# Altium PCB STM32_SIM800.PcbDoc (continued)
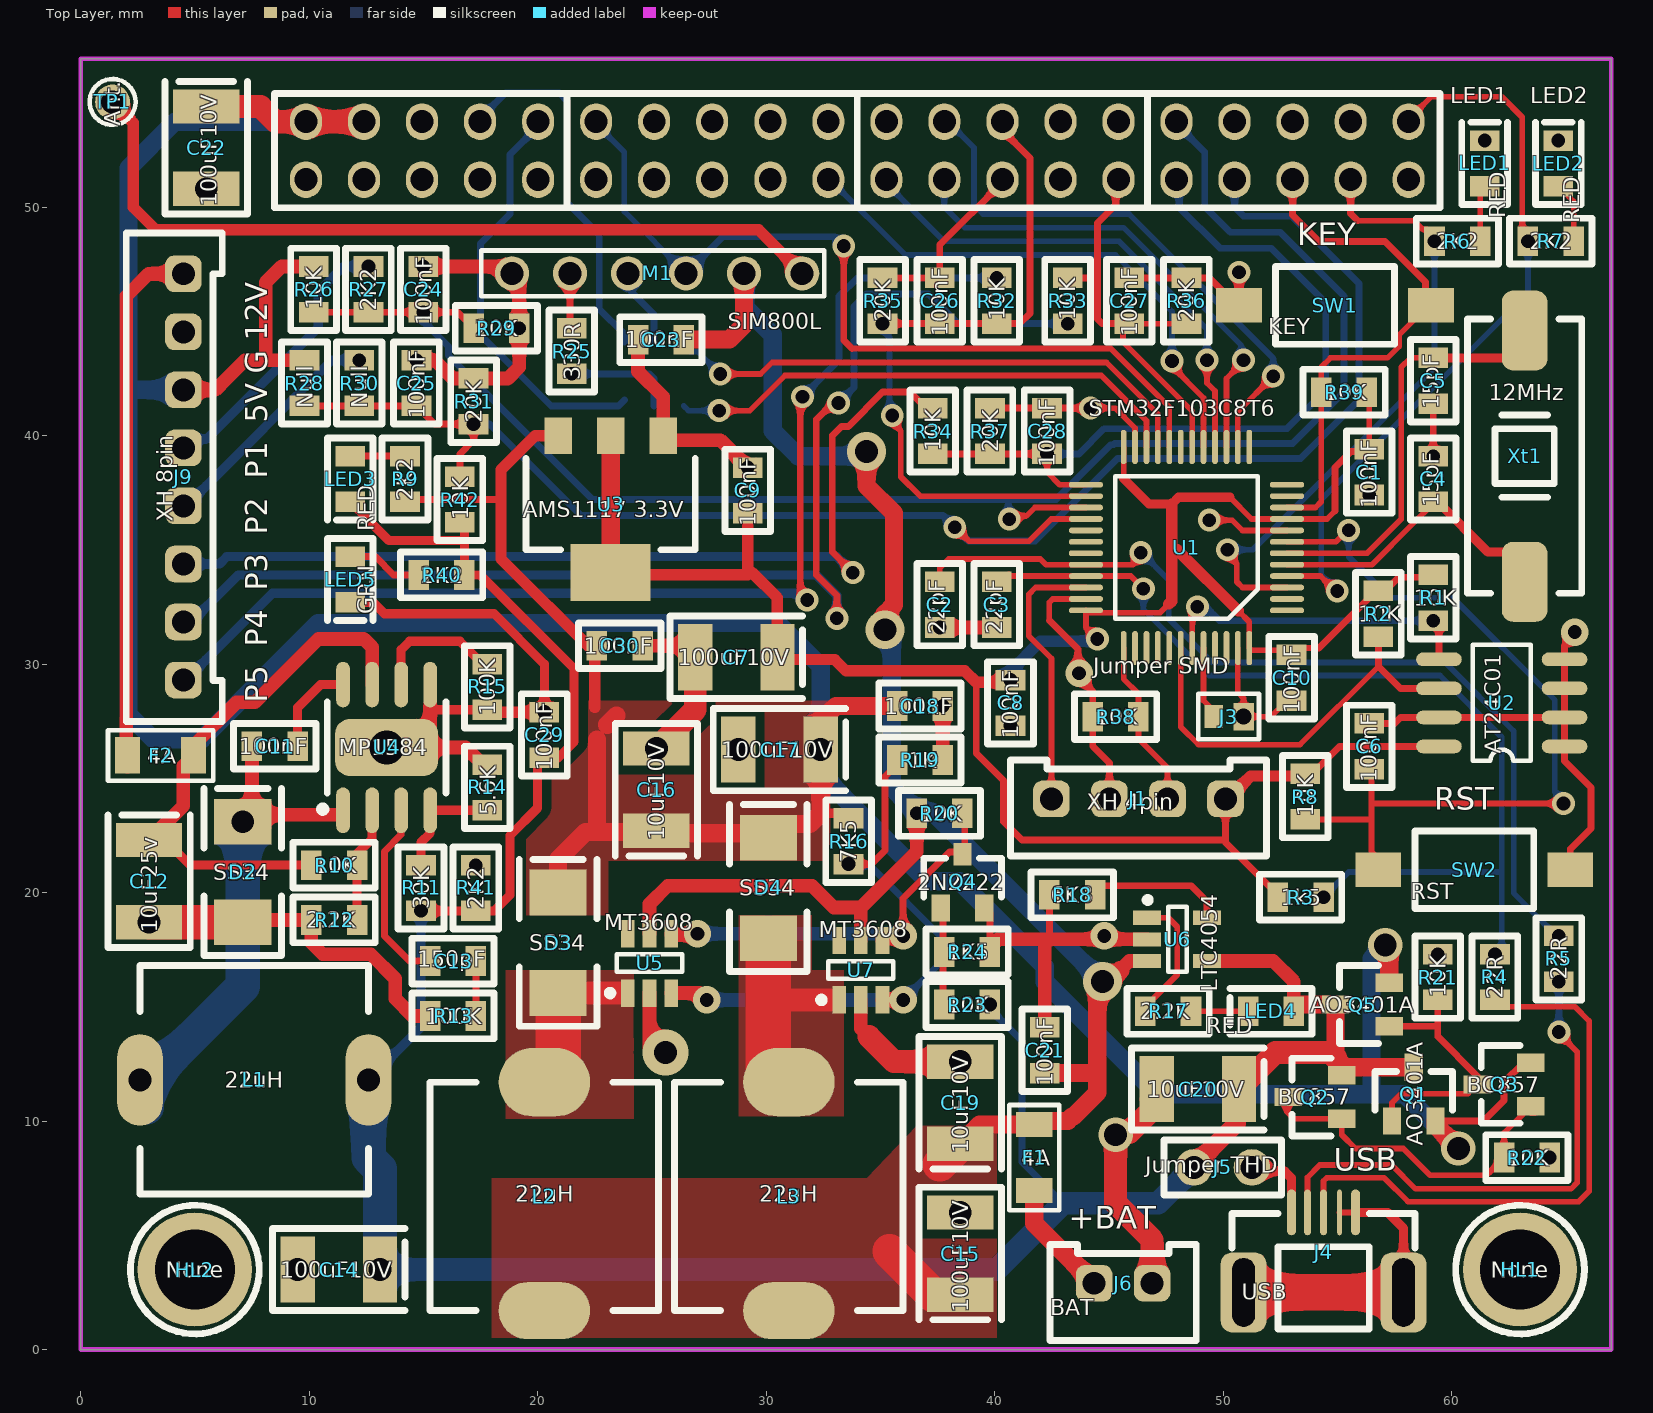
[diagram p0: Top Layer view]
## Footprints (in the part's own frame and the unit in brackets; to place one, negate y for a bottom-side part, rotate by r counter-clockwise, add the part's x,y. Pads: shape width x height; smd on the part's side, far side on the other; paste and mask are expansions set on the pad) (continued)
  rect 0.8x1.2 smd: D(0,1.175) G(-0.95,-1.175) S(0.95,-1.175)
  silkscreen extent -1.7,-0.7 1.7,1, body extent -1.5,-1.3 1.5,1.2, height 1.11
SOT23-NPN [mm] "NPN SOT23"
  rect 0.8x1.2 smd: B(-0.95,-1.175) E(0.95,-1.175)
  rect 0.8x1 smd: C(0,1.175)
  silkscreen extent -1.7,-0.7 1.7,1, body extent -1.5,-1.3 1.5,1.2, height 1.11
SOT23-PNP [mm] "PNP SOT23"
  rect 0.8x1.2 smd: B(-0.95,-1.175) C(0,1.175) E(0.95,-1.175)
  silkscreen extent -1.7,-0.7 1.7,1, body extent -1.5,-1.3 1.5,1.2, height 1.11
STM32F103C8-LQFP-48 [mm] "STM32F103C8T6 LQFP 48 pin"
  oval 0.25x1.5 smd mask+0.08: BOOT0(-0.75,4.4) PA3(-2.75,-4.4) PA4(-2.25,-4.4) PA5(-1.75,-4.4) PA6(-1.25,-4.4) PA7(-0.75,-4.4) PA14(2.75,4.4) PA15(2.25,4.4) PB0(-0.25,-4.4) PB1(0.25,-4.4) PB2(0.75,-4.4) PB3(1.75,4.4) PB4(1.25,4.4) PB5(0.75,4.4) PB6(0.25,4.4) PB7(-0.25,4.4) PB8(-1.25,4.4) PB9(-1.75,4.4) PB10(1.25,-4.4) PB11(1.75,-4.4) VDD_1(2.75,-4.4) VDD_3(-2.75,4.4) VSS_1(2.25,-4.4) VSS_3(-2.25,4.4)
  oval 1.5x0.25 smd mask+0.08: NRST(-4.4,-0.25) OSC_IN(-4.4,0.75) OSC_OUT(-4.4,0.25) PA0(-4.4,-1.75) PA1(-4.4,-2.25) PA2(-4.4,-2.75) PA8(4.4,-0.75) PA9(4.4,-0.25) PA10(4.4,0.25) PA11(4.4,0.75) PA12(4.4,1.25) PA13(4.4,1.75) PB12(4.4,-2.75) PB13(4.4,-2.25) PB14(4.4,-1.75) PB15(4.4,-1.25) PC13(-4.4,2.25) PC14(-4.4,1.75) PC15(-4.4,1.25) VBAT(-4.4,2.75) VDD_2(4.4,2.75) VDDA(-4.4,-1.25) VSS_2(4.4,2.25) VSSA(-4.4,-0.75)
  silkscreen extent -3.11,-3.11 3.11,3.11, body extent -4.5,-4.5 4.5,4.5, height 1.56
Tact_SW_SMD [mm] "Tact switch SMD 2-pin pitch 8mm"
  rect 2x1.5 smd mask+0.102: 1(-4.2,0)
  rect 2x1.5 smd: 2(4.2,0)
  silkscreen extent -2.6,-1.7 2.6,1.7, body extent -5,-1.75 5,1.75, height 4.31
TP [mil] "Test Point"
  round 60 hole 39.37: 1(0,0)
  silkscreen extent -39,-40 40,40
XH-2pin [mm] "XH Female connector 2 pin"
  rrect50% 1.6x1.6 hole 1: 1(-1.27,0) 2(1.27,0)
  silkscreen extent -3.2,-2.5 3.2,1.7, body extent -3.7,-3.4 3.7,2.7, height 7.01
XH-4pin [mm]
  rrect50% 1.6x1.6 hole 1: 1(-3.81,0) 2(-1.27,0) 3(1.27,0) 4(3.81,0)
  silkscreen extent -5.6,-2.5 5.6,1.7, body extent -6.2,-3.3 6.2,2.8, height 7.01
"XH-8pin - RA" [mm] "Connector XH-8pin-RA"
  rrect50% 1.6x1.6 hole 1: 1(8.84,0) 2(6.3,0) 3(3.76,0) 4(1.22,0) 5(-1.32,0) 6(-3.86,0) 7(-6.4,0) 8(-8.94,0)
  silkscreen extent -10.76,-1.7 10.63,2.5, body extent -11.15,-2.35 11.25,9.15, height 6.11
Xtal_SMD [mm]
  rrect50% 3.5x2 smd: 1(-5.5,0) 2(5.5,0)
  silkscreen extent -6,-2.5 6,2.5, body extent -6.25,-2.4 6.25,2.4, height 4

## Part data
C1 C2 C3 C4 C5 C6 C8 C9 C10 C11 C13 C18 C21 C23 C24 C25 C26 C27 C28 C29 C30: library part Cap0805, "Capacitor SMD 0805"
C7 C12 C14 C15 C16 C17 C19 C20 C22: library part Cap_Tant_B, "Capacitor SMD Tantalium Size B"
D2 D3 D4: library part Diode_SMA, "Diode SMD Shotkey 1N5822 SS34"
F1 F2: library part Fuse1206, "Fuse SMD 1206"
HL1 HL2: library part Holder_Hole, "PCB Holder Hole"
J1: library part Con_XH_4pin, "Connector XH Female 4-pin"
J2: "Pin Header 2x20 pitch=2.54mm"
J3: library part Jump_smd
J4: library part MicroUSB_SMD, "Micro USB Female connector SMD"
J5: library part "Jumper DIP", "Jumper pin header + jumper 2pin pirch=2.54mm"
J6: library part Con_XH_2pin, "Connector XH Female 2-pin"
J7 J8: library part Jump_smd_3tap
J9: library part Con_XH_8pin, "Connector XH Female 8-pin"
L1 L2 L3: library part Inductor_10x10, "SMD Power Inductor 10X10mm"
LED1 LED2 LED3 LED4 LED5: library part LED_0805_Red, "LED SMD 0805 Red"
M1: "SIM800L GSM Module"
Q1 Q5: library part Mosfet_P_SOT23, "MOSFET P-Channel SMD SOT23"
Q2 Q3: library part "BJT PNP SOT23", "PNP Transistor SMD SOT23"
Q4: library part BJT_NPN_SOT23, "NPN Transistor SMD SOT23"
R1 R2 R3 R4 R5 R6 R7 R8 R9 R10 R11 R12 R13 R14 R15 R16 R17 R18 R19 R20 R21 R22 R23 R24 R25 R26 R27 R28 R29 R30 R31 R32 R33 R34 R35 R36 R37 R38 R39 R40 R41 R42: library part Res0805, "Resistor SMD 0805"
SW1 SW2: library part Tact_sw, "Tact switch SMD 2pin"
TP1: library part TP, "Test point"
U1: "STM32 ARM-based 32-bit MCU with 64 Kbytes Flash, 48-pin LQFP, Industrial Temperature", ComponentLink1Description="Manufacturer Link", ComponentLink1URL=www.st.com/stm32, ComponentLink2Description=Datasheet, ComponentLink2URL=http://www.st.com/stonline/products/literature/ds/13587.pdf, DatasheetVersion="rev6, Mar-2008", PackageDescription="48-Pin Low-Profile Quad Flat Pack, 7 x 7 mm Body, 0.5 mm Pitch (LQFP48)", PackageReference=LQFP48, PackageVersion=Mar-2008, Published=30-May-2008, Publisher="Altium Limited"
U2: "AT24C01 EEPROM SMD SO8"
U3: library part AMS1117-SOT223, "AMS1117 Regulator 3.3V SMD SOT223"
U4: "BUCK SMD SO8"
U5 U7: "Boost switching"
U6: library part LTC4054-4.2, "Li-Ion Battery charger"
Xt1: library part Xtal_SMD, "Crystal Oscillator SMD"

## Via types
v1: diameter 1, hole 0.6, Top Layer to Bottom Layer, tented both sides, 27 vias
v2: diameter 1.2, hole 0.6, Top Layer to Bottom Layer, tented both sides, 7 vias
v3: diameter 1.7, hole 1, Top Layer to Bottom Layer, 3 vias
v4: diameter 1.5, hole 1, Top Layer to Bottom Layer, 3 vias
v5: diameter 2, hole 1, Top Layer to Bottom Layer, 1 vias

## Nets (pads, with @x,y where several pads share a name; then routed paths per layer and width w, separated by ;. In a path a pad name is that pad's centre, name@x,y a point inside that pad or via, vN(x,y) a via of type N, cw(c..) or ccw(c..) an arc to the next point about the centre after c; other vN are vias at no path point)
3V3: C1.1 C7.+ C8.2 C9.2 C10.2 J1.4 R1.2 R2.2 R3.2 R8.2 R39.1 U1.VDD_1 U1.VDD_2 U1.VDD_3 U1.VDDA U2.Vcc U3.Out | length 104
  Top Layer w0.25: v1(44.5,31.1) 44,31.6 44,32.25 U1.VDD_2 44.1,32.25 47.25,32.25 47.627,32.627 ; 45.65,38.115 U1.VDD_1 ; 50.3,37.3 51.25,36.35 51.761,36.35 U1.VDDA 53.632,36.35 54.55,36.35 54.9,36.7 ; 50.672,32.328 51.15,31.85 U1.VDD_3 51.25,30.6 52.8,30.6 C10.2 ; C10.2@53,30.7 54.2,30.7 ; R39.1 56.3,41.8 56.4,41.7 C1.1
  Top Layer w0.3: 39.2,29.2 39.2,26.1 40.4,24.9 40.4,23.1 41.2,22.3 50.11,22.3 ; J1.4 50.11,22.3 ; R3.2 52.4,19.9 50.11,22.19 50.11,22.3 ; R8.2 53.7,25.1 53.8,25.1 55.095,26.395 U2.Vcc ; 54.2,30.7 56.6,33.1 56.7,33.1 R2.2 56.9,33.1 57,33.1 57.7,33.8 59.1,33.8 R1.2 ; 54.9,36.7 54.9,38.6 55.6,39.3 56.3,39.3 C1.1
  Top Layer w0.4: 45.65,38.115 46.765,37 47.752,37 48.052,37.3 50.3,37.3
  Top Layer w0.5: U3.Out@23.2,34 23.3,33.9 29.2,33.9 C9.2 ; 29.2,34 29.4,34 30.5,32.9 C7.+ 30.6,30.2 33,30.2 33.5,29.7 35.236,29.7 38.7,29.7 39.2,29.2 40.6,29.2 C8.2 ; 47.627,32.627 47.752,32.752 47.752,34.998 ; 47.752,37 47.752,34.998 ; J1.4 50.21,24.1 51.21,25.1 53.5,25.1 R8.2 ; 50.672,32.328 48.002,34.998 47.752,34.998
  Bottom Layer w0.5: C8.2 40.7,29.7 42,31 44.4,31 v1(44.5,31.1)
+5VIN: C14.+ C20.+ C29.2 J5.1 L1.2 LED3.2 LED4.1 Q1.D Q2.E Q5.D R11.1 R23.2 R40.2 R41.1 R42.2 U6.VCC | length 117
  Top Layer w0.4: LED3.2 13.5,35.4 16.8,35.4 ; R11.1 R41.1 18.1,19.2 18.8,19.9 18.8,22.5 20,23.7 20,25.6 C29.2 20.9,25.9 21.6,26.6 21.6,29.8 17.5,33.9 R40.2 16.8,35.4 ; R42.2 16.8,36 16.8,35.4
  Top Layer w0.6: J5.1@48.664,8.134 J5.1@48.834,8.134 ; U6.VCC 52.2,17 53.1,16.1 LED4.1
  Top Layer w0.8: J5.1@48.834,8.134 50.6,9.9 C20.+@50.6,11.4 ; LED4.1 53.4,15.1 Q5.D 54.925,12.775 55.35,12.35 Q1.D
  Top Layer w1: C20.+ 52.3,13 54.7,13 54.925,12.775
  Bottom Layer w0.3: R23.2 39.8,14.9 41.2,13.5 41.2,8.2 43,6.4
  Bottom Layer w0.4: L1.2 14.9,14.1 R11.1
  Bottom Layer w1: C14.+ 40.1,3.5 43,6.4 47.155,6.4 J5.1
  Bottom Layer w1.5: L1.2 12.6,8.4 13.1,7.9 13.1,6.1 C14.+
+5Vout: C16.+ C17.+ C18.1 C22.+ C30.2 D3.K D4.K J2.2 J2.4 J9.3 Q1.S Q3.E Q5.S R9.2 R16.2 R26.1 R28.1 U3.In | length 192.6
  Top Layer w0.3: R9.2 14.3,37.2 18.4,37.2 ; Q1.S 61.4,10 62.3,10.9 62.3,11.7 63.15,12.55 Q3.E
  Top Layer w0.4: 32.39,23.469 33.389,23.469 R16.2
  Top Layer w0.5: U3.In 19.9,40 18.4,38.5 18.4,37.2 18.4,34.6 22.5,30.5 22.5,28.1
  Top Layer w0.6: J9.3 5.9,42 6.4,42.5 7.2,43.3 8.1,43.3 ; R28.1 8.1,43.3 ; R26.1 8.8,47.4 8.1,46.7 8.1,43.3 ; D4.K@30,22.5 D4.K@30.2,22.5
  Top Layer w0.8: D3.K 20.9,21.45 22.1,22.65 22.6,22.65 ; 22.6,26.7 22.6,22.65 ; 23.05,27.34 23.46,27.75 ; D4.K@30,22.5 29.9,22.6 25.3,22.6 C16.+ 25.15,22.65 22.6,22.65 ; D4.K 30.2,22.5 30.7,23 31.921,23 32.39,23.469 C17.+ 32.4,26.269 32.4,27.5 33.063,28.163 C18.1 ; v4(57.1,17.7) 57.275,17.525 Q5.S ; Q1.S 59.3,9.8 v4(60.3,8.8)
  Top Layer w1: C22.+ 7.869,54.4 8.529,53.74 J2.2 J2.4
  Bottom Layer w0.8: J9.3 2.2,42 2.1,41.9 ; J2.4 J2.2 4.14,53.74 2.1,51.7 2.1,41.9 ; C17.+ 32.4,26.269 32.4,29.9 30.5,31.8 10.402,31.8 7.052,28.45 7.05,28.45 5.3,26.7 3.2,26.7 2.1,27.8 2.1,41.9 ; C17.+@32.6,26.258 32.6,24.959 37.065,20.494 38.462,20.494 42.2,16.756 42.2,16.096 47.121,11.175 56.5,11.175 ; v4(57.1,17.7) 56.5,17.1 56.5,11.175 ; v4(60.3,8.8) 57.925,11.175 56.5,11.175
+12VIN: C12.+ F2.1 R10.1 U4.VIN | length 24.7
  Top Layer w0.4: C12.+ 3.7,22.3 4.8,21.2 R10.1
  Top Layer w0.6: C12.+ 4.5,23.8 4.5,25.55 F2.1 4.95,26.45 6.825,28.325 7.625,28.325 10.4,31.1 12.4,31.1 12.76,30.74 U4.VIN ; C12.+@3.7,22.3 C12.+@4.15,22.75
DM: J4.DM R5.2 | length 23.2
  Top Layer w0.25: J4.DM 53.7,7.535 54.237,8.072 57.387,8.072 58.428,7.031 65.231,7.031 65.5,7.3 65.5,13.033 64.7,13.833 v1(64.7,13.9)
  Bottom Layer w0.3: v1(64.7,13.9) R5.2
DP: J4.DP R4.2 | length 25.6
  Top Layer w0.25: J4.DP 54.4,7.375 54.546,7.521 57.048,7.521 58.098,6.472 65.572,6.472 66.025,6.925 66.025,13.675 66.025,14.375 65.4,15 62.2,15 R4.2
FB_boost: R16.1 R19.2 U5.FB U7.FB | length 25.5
  Top Layer w0.3: R16.1 34.612,21.245 35.212,21.845 35.212,25.077 35.736,25.601 R19.2
  Top Layer w0.6: U5.FB 27.1,15.6 v2(27.4,15.3) ; U7.FB v2(36,15.3)
  Bottom Layer w0.3: R16.1 33.679,21.178 34.552,21.178 37.8,17.93 37.8,17.1 v2(36,15.3)
  Bottom Layer w0.6: v2@28,15.3 v2(36,15.3)
GND: C1.2 C2.1 C3.1 C4.1 C5.1 C6.1 C7.- C8.1 C9.1 C10.1 C12.- C14.- C15.- C16.- C17.- C18.2 C19.- C20.- C21.2 C22.- C23.1 C24.1 C25.1 C26.1 C27.1 C28.2 C29.1 C30.1 D2.A J1.2 J2.6 J2.9 J2.14 J2.20 J2.25 J2.30 J2.34 J2.39 J3.2 J4.G J4.Gnd J4.ID J6.2 J9.2 LED1.2 LED2.2 LED5.2 M1.GND Q4.E R12.1 R13.2 R14.1 R15.1 R18.2 R19.1 R21.1 R22.1 R24.2 R29.2 R31.2 R35.2 R36.2 R37.2 R38.2 R41.2 SW1.1 SW2.2 U1.VSS_1 U1.VSS_2 U1.VSS_3 U1.VSSA U2.A0 U2.A1 U2.A2 U2.Gnd U2.WP U3.Gnd_Adj U4.GND U4.GND_E U5.GND U6.GND U7.GND | length 180.8
  Top Layer w0.25: 42.4,31.9 42.4,32.7 42.55,32.85 U1.VSS_2 ; v1(44.2,41.2) 45.282,41.2 46.15,40.332 U1.VSS_1 ; v1(49.4,36.3) 50.4,36.3 50.85,35.85 U1.VSSA ; U1.VSS_3 50.65,28.75 50.9,28.5 J3.2 52.1,27.7 52.8,28.4 C10.1 ; J4.ID J4.Gnd
  Top Layer w0.3: R35.2@35.2,46.9 C26.1 ; C26.1@37.9,46.9 C26.1 ; C19.- C19.-@39.2,12.6 ; Q4.E@39.75,19.125 39.8,19.075 R24.2@39.8,17.6 ; R37.2 C28.2 v1(44.2,41.2) ; J2.25 40.345,51.085 37.6,48.34 C26.1 ; 42.4,17.95 R18.2 ; 42.4,31.9 43.65,30.65 43.65,29.45 44.3,28.8 R38.2 44.3,26.4 45.03,25.67 J1.2 J1.2@45,24.07 ; C27.1 R36.2 49.4,46.9 SW1.1@50.6,45.7 ; C6.1 57.5,27.4 57.765,27.665 U2.WP U2.A1 ; C4.1 C5.1 ; LED1.2@61.476,52.887 LED1.2@61.501,52.912 ; SW2.2 65.2,21.901 66.099,22.8 66.099,24.601 64.95,25.75 U2.A0 U2.A1 ; v2(65.4,31.4) 65.4,31.259 64.95,30.809 U2.Gnd U2.A2 U2.A1
  Top Layer w0.4: LED5.2 12.8,32.7 13.3,32.2 18.1,32.2 20.3,30 C29.1 ; U4.GND@15.3,28.265 15.565,28 R15.1 ; SW1.1@50.6,45.7 50.7,45.8 v1(50.7,47.15) ; J4.Gnd 57.2,6 57.9,5.3 J4.G@57.9,2.5
  Top Layer w0.5: R15.1 17.9,27.9 C29.1
  Top Layer w0.6: D2.A@6.3,18.7 D2.A@6.55,18.7 ; D2.A@6.8,18.7 6.9,18.8 R12.1 10.1,17.8 10.6,17.3 12.7,17.3 13.777,16.223 13.777,15.351 14.528,14.6 R13.2 ; U4.GND_E U4.GND_E@14.219,26.35 ; C25.1 15.5,43.3 16.3,42.5 R31.2 18.7,42.5 19.2,43 R29.2 19.2,46.78 M1.GND 18.58,47.4 C24.1 ; U4.GND@15.3,28.265 15.3,27.431 U4.GND_E@14.219,26.35 ; R14.1 17.6,25.6 16.85,26.35 U4.GND_E@14.219,26.35 ; C23.1 24.4,42.8 25.5,41.7 U3.Gnd_Adj 25.7,39.8 28,39.8 C9.1 ; C30.1 26.4,30.8 C7.- ; U5.GND 24.9,13.7 v5(25.6,13) ; U7.GND 34.15,14.05 34.5,13.7 ; R19.1 C18.2 ; C2.1@37.788,31.6 C3.1@40.288,31.6 ; Q4.E@39.55,19.125 Q4.E ; R24.2 39.8,17.6 40.15,17.95 42.4,17.95 ; C21.2 42.2,17.75 42.4,17.95 ; v2@44.3,17.95 U6.GND ; v2@44.687,18.054 44.582,17.95 42.4,17.95 ; C20.-@46.65,10.95 C20.-
  Top Layer w1: C16.-@25.221,26.279 C16.- 26.9,28 C7.- ; C17.-@28.769,26.279 C17.- ; 34.5,13.7 35.6,12.6 C19.- ; J6.2 46.9,4.8 45.3,6.4 v4(45.3,9.4) 45.396,9.496 45.896,9.496 47.1,10.7 C20.-
  Top Layer w1.5: C12.- D2.A@6.8,18.7
  Bottom Layer w0.3: J1.2@45,24.13 J1.2
  other v2: 44.8,18.1 43.7,29.6
GPIO2: J2.3
GPIO3: J2.5
GPIO4: J2.7
GPIO16: J2.36
GPIO17: J2.11
GPIO20: J2.38
GPIO22: J2.15
GPIO23: J2.16
GPIO24: J2.18
GPIO25: J2.22
GPIO27: J2.13
ID_SC: J2.28
ID_SD: J2.27
IO1: C24.2 J2.32 R26.2 R27.1 R29.1 U1.PB14 | length 73.8
  Top Layer w0.25: v1(40.648,36.342) 40.792,36.486 41.401,36.486 41.765,36.85 U1.PB14
  Top Layer w0.3: R26.2@10.4,45.4 R27.1 C24.2 16.5,45.4 R29.1
  Bottom Layer w0.25: 40.6,37.2 40.6,36.39 v1(40.648,36.342)
  Bottom Layer w0.3: C24.2 15,45 16.1,43.9 16.1,43.5 22.4,37.2 40.6,37.2 42.7,37.2 45.1,39.6 45.211,39.6 45.261,39.65 53.05,39.65 55.3,41.9 55.3,46.1 52.5,48.9 50.315,48.9 49.2,50.015 49.2,52.405 47.965,53.64 J2.32
IO2: C25.2 J2.33 R28.2 R30.1 R31.1 R42.1 U1.PB15 | length 73.2
  Top Layer w0.25: v1(38.26,35.987) 38.279,35.987 38.888,35.377 41.512,35.377 42.485,36.35 U1.PB15
  Top Layer w0.3: R28.2 R30.1 C25.2 15.5,40.5 R31.1 17.2,39.8 16.6,39.2 R42.1
  Bottom Layer w0.3: R31.1 17.9,40.5 21.905,36.495 37.752,36.495 v1(38.26,35.987) 38.855,35.392 41.781,35.392 45.389,39 53.4,39 55.95,41.55 55.95,46.65 53,49.6 50.9,49.6 50.505,49.995 J2.33
IO3: C28.1 J2.31 R34.1 R37.1 U1.PB12 | length 34.3
  Top Layer w0.25: C28.1 42.3,38.4 42.85,37.85 U1.PB12
  Top Layer w0.3: R34.1 R37.1 C28.1
  Bottom Layer w0.3: C28.1 43.7,39.2 44.8,40.3 52.8,40.3 54.5,42 54.5,45.8 52.1,48.2 49.872,48.2 48.083,49.989 48.083,51.082 J2.31
IO4: C27.2 J2.29 R33.1 R36.1 U1.PB0 | length 18.6
  Top Layer w0.25: C27.2@45.625,44.575 45.625,44.1 48.65,41.075 U1.PB0 ; C27.2 C27.2@46.1,44.9 ; C27.2@46.425,44.575 C27.2@46.1,44.9 ; R36.1 C27.2@46.1,44.9
  Top Layer w0.3: R33.1 44.5,46.9 ; J2.29 45.3,51.075 45.3,50.1 44.5,49.3 44.5,46.9 ; C27.2 44.7,44.9 44.5,45.1 44.5,46.9
IO5: C26.2 J2.26 R32.1 R35.1 U1.PB13 | length 31.2
  Top Layer w0.25: v1(35.522,40.878) 35.4,40.756 35.4,40.7 35.9,40.2 35.9,38.2 36.75,37.35 U1.PB13
  Top Layer w0.3: R35.1@35.2,44.9 37.7,44.9 R32.1 41.1,44.9 41.55,45.35 41.55,52.15 40.345,53.355 J2.26
  Bottom Layer w0.25: R35.1 34.95,44.75 35.4,44.299 35.4,40.878 v1(35.522,40.878)
LED1: J2.37 R6.1 U1.PC14 | length 27.5
  Top Layer w0.25: v1(50.2,35) 50.2,34.8 50.6,34.4 50.6,33.6 50.85,33.35 U1.PC14 ; 55.9,49.4 58.366,49.4 58.732,49.034 58.932,49.034 59.257,48.709 R6.1
  Top Layer w0.3: J2.37 55.585,49.715 55.9,49.4
  Bottom Layer w0.25: v1(50.2,35) 51.3,35 59.257,42.957 R6.1
LED2: J2.40 R7.1 U1.PC15 | length 33.3
  Top Layer w0.25: U1.PC15 54.263,33.85 54.913,33.2 v1(55,33.2) ; J2.40@58.185,53.8 J2.40 58.125,53.84 59.118,54.833 62.2,54.833 63.1,53.933 63.1,48.755 R7.1
  Bottom Layer w0.25: v1(55,33.2) 54.3,33.9 54.3,37.2 63.346,46.246 R7.1
NetC2_2: C2.2 R5.1 U1.PA11 | length 40.4
  Top Layer w0.25: C2.2 37.6,34.2 38,34.6 42,34.6 42.25,34.35 U1.PA11 46.05,34.35 46.4,34.7 v1(46.4,34.877)
  Bottom Layer w0.25: v1(46.4,34.877) 46.434,34.877 47.627,33.684 47.627,31.979 49.538,30.068 59.723,30.068 62.721,27.071 62.721,19.979 R5.1@64.7,18
NetC3_2: C3.2 R3.1 R4.1 U1.PA12 | length 44.1
  Top Layer w0.25: C3.2@40.625,33.925 C3.2@40.55,33.85 ; v1(46.515,33.294) 45.96,33.85 U1.PA12 C3.2@40.55,33.85 ; C3.2@40.55,33.85 40.3,33.6 C3.2 40.35,33.85 C3.2@40.55,33.85
  Bottom Layer w0.25: v1(46.515,33.294) 46.515,32.384 49.399,29.5 59.5,29.5 62.2,26.8 62.2,20.9 ; R3.1 55.5,20.9 62.2,20.9 ; R4.1@61.9,17.4 62.2,17.7 62.2,20.9
NetC4_2: C4.2 U1.OSC_IN Xt1.1 | length 13.3
  Top Layer w0.25: U1.OSC_IN 54.631,34.35 56.515,34.35 58.3,36.135 59.2,37.035 C4.2
  Top Layer w0.4: C4.2 59.4,37.1 61.6,34.9 62.423,34.9 63.2,34.123 Xt1.1
NetC5_2: C5.2 U1.OSC_OUT Xt1.2 | length 18.6
  Top Layer w0.25: U1.OSC_OUT 54.838,34.85 56.308,34.85 57.8,36.342 57.8,43 58.2,43.4 C5.2
  Top Layer w0.3: Xt1.2@62.377,43.4 63.2,44.223 Xt1.2
  Top Layer w0.4: C5.2 Xt1.2@62.377,43.4
NetC11_1: C11.1 U4.BST | length 4.1
  Top Layer w0.4: C11.1 9.5,28.1 10.5,29.1 U4.BST
NetC11_2: C11.2 D2.K L1.1 U4.SW | length 22.1
  Top Layer w0.6: D2.K 7.4,23.4 D2.K@7.9,23.4 ; C11.2 7.5,23.8 D2.K@7.9,23.4 ; U4.SW 11.49,23.4 D2.K@7.9,23.4
  Bottom Layer w1.5: L1.1@2.9,10.6 2.9,11.7 7.1,15.9 D2.K
NetC13_1: C13.1 R13.1 | length 2.5
  Top Layer w0.3: R13.1@17.3,15 C13.1@17.3,17.5
NetC13_2: C13.2 U4.COMP | length 8.3
  Top Layer w0.3: U4.COMP 14.03,22.53 13.3,21.8 13.3,18.1 14.4,17 C13.2
NetD3_A: D3.A L2.2 U5.SW | length 7.4
  Top Layer w0.6: U5.SW@23.7,15.6 U5.SW@23.8,15.6
  Top Layer w1: D3.A@20.925,15.6 U5.SW@23.7,15.6
  Top Layer w2: L2.2 20.9,11.7 D3.A
NetD4_A: D4.A L3.2 U7.SW | length 9.1
  Top Layer w1: 31,15.3 U7.SW@32.9,15.3
  Top Layer w2: D4.A 30.1,11.7 L3.2
NetF1_1: F1.1 J6.1 | length 5.1
  Top Layer w0.8: F1.1 41.74,5.52 J6.1
NetF2_2: F2.2 J9.1 | length 23.5
  Top Layer w0.6: F2.2@2.05,25.5 2,25.55 2,46.1 2.98,47.08 J9.1
NetJ1_3: J1.3 R38.1 U1.PA14 | length 7.4
  Top Layer w0.25: U1.PA14 45.65,29.35 46.3,28.7 R38.1 46.3,26.735 47.57,25.465 J1.3
NetJ3_1: J3.1 U1.BOOT0 | length 3.2
  Top Layer w0.25: U1.BOOT0 49.15,28.4 49.6,27.95 J3.1
NetJ4_1: J4.VUSB J5.2 | length 3.3
  Top Layer w0.4: J5.2@51.367,7.97 51.537,7.8 52.7,7.8 53,7.5 J4.VUSB
NetJ7_2: J7.2 M1.RXD | length 3.5
  Bottom Layer w0.3: M1.RXD 24.1,46.96 24.1,46.3 25.1,45.3 J7.2
NetJ7_3: J7.3 U1.PB10 | length 24
  Top Layer w0.25: v1(27.999,42.692) 29.76,42.692 30.268,43.2 44.9,43.2 47.15,40.95 U1.PB10
  Bottom Layer w0.25: J7.3 26.4,43.937 26.675,43.662 27.029,43.662 v1(27.999,42.692)
NetJ8_2: J8.2 R25.1 | length 4.9
  Bottom Layer w0.3: R25.1 24.9,42.7 25.1,42.5 J8.2
NetJ8_3: J8.3 U1.PB11 | length 22.9
  Top Layer w0.25: v1(27.948,41.092) 29.292,41.092 30.825,42.625 31.217,42.625 32.475,42.625 32.817,42.625 33.583,42.625 44.675,42.625 46.65,40.65 U1.PB11
  Bottom Layer w0.25: J8.3 26.608,41.092 v1(27.948,41.092)
NetJ9_4: J9.4 R27.2 | length 12.3
  Bottom Layer w0.4: J9.4 4.891,39.851 5.523,39.851 10.4,44.728 10.4,46.3 11.5,47.4 R27.2
NetJ9_5: J9.5 R30.2 | length 10.3
  Bottom Layer w0.4: J9.5 4.977,37.397 5.097,37.397 11,43.3 R30.2
NetJ9_6: J9.6 R34.2 | length 41.6
  Top Layer w0.3: v1(33.8,34) 32.9,34.9 32.9,40 33.3,40.4 33.6,40.4 35.1,41.9 36.3,41.9 37,41.2 R34.2
  Bottom Layer w0.4: J9.6 6.08,34.38 6.4,34.7 33.1,34.7 v1(33.8,34)
NetJ9_7: J9.7 R33.2 | length 55.9
  Top Layer w0.3: v1(33.1,32) 33.1,32.9 33.1,33 32.2,33.9 32.2,40.7 33.05,41.55 v1(33.172,41.428)
  Bottom Layer w0.3: v1(33.172,41.428) 33.85,42.106 33.85,45.65 34.4,46.2 37.1,46.2 37.199,46.101 38.4,44.9 R33.2
  Bottom Layer w0.4: J9.7 4.84,31.84 6.9,33.9 32.2,33.9 33.1,33 v1(33.1,32)
NetJ9_8: J9.8 R32.2 | length 50.4
  Top Layer w0.3: v1(31.6,41.7) 31.5,41.6 31.5,33.1 v1(31.8,32.8)
  Bottom Layer w0.3: v1(31.6,41.7) 33.2,43.3 33.2,46.1 34,46.9 R32.2
  Bottom Layer w0.4: J9.8 4.6,29.3 8.4,33.1 31.5,33.1 v1(31.8,32.8)
NetLED1_1: LED1.1 R6.2 | length 2.5
  Top Layer w0.25: R6.2 61.257,50.668 LED1.1@61.476,50.887
NetLED2_1: LED2.1 R7.2 | length 2.9
  Top Layer w0.25: LED2.1@64.476,50.912 LED2.1 65.346,50.243 R7.2
NetLED3_1: LED3.1 R9.1 | length 2.5
  Top Layer w0.3: LED3.1@11.5,38.9 LED3.1@11.6,39 ; LED3.1 R9.1
NetLED4_2: LED4.2 R17.1 | length 2.5
  Top Layer w0.25: R17.1 LED4.2
NetLED5_1: LED5.1 R40.1 | length 3.3
  Top Layer w0.3: LED5.1 12.9,34.7 13.7,33.9 R40.1
NetM1_ANT: M1.ANT TP1.1 | length 35.5
  Top Layer w0.5: TP1.1 2.3,53.7 2.3,50 3.3,49 29.68,49 M1.ANT
NetM1_TXD: M1.TXD R25.2 | length 2.4
  Top Layer w0.3: M1.TXD 21.42,44.78 R25.2
NetQ1_G: Q1.G Q3.C Q5.G R21.2 | length 11.4
  Top Layer w0.25: Q1.G 57.4,10.8 57.8,11.2 60.725,11.2 Q3.C
  Top Layer w0.3: Q5.G 59.35,14.15 59.4,14.2 ; R21.2 59.4,14.2 ; Q3.C 61.125,11.975 59.4,13.7 59.4,14.2
NetQ2_B: Q2.B Q2.C Q3.B R22.2 | length 15
  Top Layer w0.25: Q2.C 52.8,11 52.8,10.4 53.1,10.1 Q2.B 55.2,9.4 55.8,8.8 57.887,8.8 59.062,7.625 61.525,7.625 R22.2 62.3,9.475 Q3.B ; Q3.B@63.475,10.35 Q3.B@63.675,10.35
NetQ4_B: Q4.B R23.1 R24.1 | length 4.3
  Top Layer w0.3: Q4.B@37.75,19.425 37.75,17.4 37.75,15.15 R23.1
NetQ4_C: Q4.C R20.2 U5.EN U7.EN | length 18.6
  Top Layer w0.3: v2(36,18.1) 36,19.75 38.025,21.775 38.7,21.775 38.7,23.7 R20.2@38.6,23.8
  Top Layer w0.6: U5.EN 25.85,18.15 26.95,18.15 v2(27,18.2) ; U7.EN 35.1,18 35.9,18 v2(36,18.1)
  Bottom Layer w0.6: v2(27,18.2) 35.9,18.2 v2(36,18.1)
NetR1_1: R1.1 U1.PB7 U2.SDA | length 14.3
  Top Layer w0.25: U1.PB7 48.65,32.279 v1(48.878,32.507)
  Top Layer w0.3: R1.1 59.45,31.65 U2.SDA
  Bottom Layer w0.3: v1(48.878,32.507) 49.233,32.507 49.843,31.897 59.197,31.897 R1.1
NetR2_1: R2.1 U1.PB6 U2.SCL | length 18.2
  Top Layer w0.25: U1.PB6 48.15,27.25 48.927,26.473 53.373,26.473 56.8,29.9
  Top Layer w0.3: R2.1 56.8,29.9 57.765,28.935 U2.SCL
NetR10_2: R10.2 R12.2 U4.EN | length 5.1
  Top Layer w0.4: R12.2 R10.2 12.1,21.7 12.76,22.36 U4.EN U4.EN@12.8,23.56
NetR11_2: R11.2 R14.2 U4.FB | length 5.1
  Top Layer w0.4: R11.2 14.9,22.2 15.3,22.6 U4.FB R14.2
NetR15_2: R15.2 U4.FREQ | length 5.9
  Top Layer w0.4: U4.FREQ 14.03,30.63 14.4,31 16.6,31 17.6,30 R15.2
NetR17_2: R17.2 U6.CHRG | length 5.8
  Top Layer w0.25: R17.2 46.6,15 48,16.4 48,18.5 47.6,18.9 U6.CHRG
NetR18_1: R18.1 U6.PROG | length 6.4
  Top Layer w0.3: R18.1 44.4,20 44.7,20.3 48.6,20.3 49.3,19.6 U6.PROG U6.PROG@49.6,18.9
RPi3V3: J2.1
RPi_RX: J2.10 J8.1 | length 18.1
  Bottom Layer w0.3: J2.10 20.025,53.525 18.8,52.3 18.8,49.7 17.5,48.4 17.5,44.4 20.6,41.3 23.55,41.3 J8.1@23.8,41.55
RPi_TX: J2.8 J7.1 | length 16.1
  Bottom Layer w0.3: J2.8 17.485,53.885 18.59,54.99 20.962,54.99 21.3,54.652 21.3,50.2 22.7,48.8 22.7,45.55 23.8,44.45 J7.1
RST: C6.2 R8.1 SW2.1 U1.NRST | length 35.9
  Top Layer w0.25: U1.NRST 54.95,35.35 55.45,35.85 v1(55.5,35.85) ; R8.1 56.5,23.2 ; C6.2 56.5,25.3 56.5,23.9 ; SW2.1@56.9,21.4 56.5,21.8 56.5,23.9 ; v1(64.905,23.896) 56.504,23.896 56.5,23.9
  Bottom Layer w0.25: v1(55.5,35.85) 55.5,34.698 57.298,32.9 60.054,32.9 64.524,28.43 64.524,24.418 64.905,24.037 v1(64.905,23.896)
Sim_Rst: J2.12 M1.RST U1.PB2 | length 37.3
  Top Layer w0.25: 33.765,43.81 45.09,43.81 47.65,41.25 U1.PB2
  Top Layer w0.3: v1(33.4,48.3) 33.4,44.175 33.765,43.81
  Bottom Layer w0.25: J2.12 22.565,53.635 23.8,52.4 23.8,49.8 M1.RST
  Bottom Layer w0.3: M1.RST 28.1,48.7 33,48.7 v1(33.4,48.3)
SPI_CE0: J2.24 U1.PA4 | length 24.7
  Top Layer w0.25: U1.PA4 50.65,41.05 v1(52.2,42.6)
  Bottom Layer w0.25: J2.24@37.96,53.74 39.1,52.6 39.1,50.1 39.5,49.7 45.887,49.7 52.2,43.387 v1(52.2,42.6)
  Bottom Layer w0.3: J2.24 J2.24@37.96,53.74
SPI_MISO: J2.21 U1.PA6 | length 22.1
  Top Layer w0.25: v1(49.3,43.3) 49.3,42.3 49.65,41.95 U1.PA6
  Bottom Layer w0.25: J2.21 35.265,51.035 37.8,48.5 45.457,48.5 49.3,44.657 v1(49.3,43.3)
SPI_MOSI: J2.19 U1.PA7 | length 23.9
  Top Layer w0.25: v1(47.767,43.267) 47.767,43.059 47.754,43.046 49.15,41.65 U1.PA7
  Bottom Layer w0.25: J2.19 32.8,51.2 36.1,47.9 45.295,47.9 47.767,45.429 v1(47.767,43.267)
SPI_SCK: J2.23 U1.PA5 | length 21.5
  Top Layer w0.25: U1.PA5 50.15,42.494 50.9,43.244 v1(50.9,43.3)
  Bottom Layer w0.25: J2.23 37.8,51.195 37.8,50 38.7,49.1 45.645,49.1 50.804,43.941 50.804,43.396 v1(50.9,43.3)
SWDIO: J1.1 U1.PA13 | length 12
  Top Layer w0.25: J1.1 42.49,30.24 41.5,31.23 41.5,33.051 41.799,33.35 U1.PA13
uSW: J2.35 R39.2 SW1.2 U1.PA0 | length 23.3
  Top Layer w0.25: U1.PA0 54.05,36.85 54.3,37.1 R39.2 54.3,43 54.7,43.4 57.2,43.4 57.7,43.9 57.7,44.4 SW1.2@59,45.7
  Top Layer w0.3: J2.35 53.045,49.655 54.2,48.5 57.091,48.5 58.866,46.724 58.866,45.834 SW1.2@59,45.7
Vbat: C15.+ C19.+ C21.1 C23.2 F1.2 L2.1 L3.1 M1.VCC R20.1 U5.IN U6.BAT U7.IN | length 85.4
  Top Layer w0.6: U5.IN 24.9,19.5 25.7,20.3 32.012,20.3 32.962,19.35 34.15,19.35 ; U7.IN 34.15,19.35 ; R20.1@36.6,23.8 36.6,21.8 34.15,19.35 ; 45.5,16.6 45.9,17 U6.BAT
  Top Layer w0.8: C23.2 28.4,44.2 29.04,44.84 M1.VCC ; v3@34.4,39.1 34.4,37.8 35.6,36.6 35.6,32.6 35.2,32.2 v3(35.2,31.5) ; C19.+ 39.352,9.852 F1.2 ; F1.2@42.2,9.85 42.35,10 43.2,10 43.4,10.2 43.45,10.2 44.5,11.25 44.5,12.1 ; C21.1 44.5,12.1 ; 45.5,16.6 44.5,15.6 44.5,12.1
  Top Layer w1.5: 35.4,4.3 37.3,2.4 C15.+ ; 37.6,8.1 C19.+
  Top Layer w2: L2.1 L2.1@21.3,1.7
  Bottom Layer w0.8: M1.VCC 29.1,47.04 29.1,45.6 30.293,44.407 30.293,40.207 31.4,39.1 v3@34.4,39.1 ; v3(35.2,31.5) 35.5,31.2 35.5,24.6 R20.1@36.55,23.55 ; R20.1@36.6,23.6 36.65,23.55 37.26,23.55 44.71,16.1 v3(44.728,16.1)
  other v3: 34.4,39.3
pads on no net: HL1.1 HL2.1 J2.17 U1.PA1 U1.PA2 U1.PA3 U1.PA8 U1.PA9 U1.PA10 U1.PA15 U1.PB1 U1.PB3 U1.PB4 U1.PB5 U1.PB8 U1.PB9 U1.PC13 U1.VBAT U5.NC U7.NC

## Polygon pours and split planes (outlines as drawn)
+5Vout on Top Layer "+5VOUT_L01_P002" (solid, remove dead copper, pour order 2): 32.8,28.4 32.8,21.4 23.1,21.4 23.1,19 19.5,19 19.5,28.4
NetD3_A on Top Layer "NETD3_A_L01_P003" (solid, remove dead copper, pour order 3): 18.6,16.6 18.6,10.1 24.2,10.1 24.2,16.6
Vbat on Top Layer "VBAT_L01_P006" (solid, remove dead copper, pour order 6): 36.6,9.8 34.4,7.5 18,7.5 18,0.4 40.1,0.4 40.1,9.8
NetD4_A on Top Layer "NETD4_A_L01_P004" (solid, remove dead copper, pour order 4): 28.8,19 28.8,10.2 33.4,10.2 33.4,16.6 32,16.6 32,19
GND on Bottom Layer "GND_L02_P000" (solid, remove dead copper, pour order 0): 0,0 0,56.5 67,56.5 67,0

## Keep-outs
Keep-Out Layer:
  the board outline again, w0.2

## Silkscreen, mask and mechanical layers (free items; w line width, h text height)
Top Overlay:
  text "LED1" at 59.95,54.3 h1.2
  text "LED2" at 63.45,54.3 h1.2
  text "KEY" at 53.25,48 h1.7
  text "P5  P4  P3  P2  P1  5V G 12V" at 8.5,28.3 h1.65 r90
  text "RST" at 59.25,23.3 h1.7
  text "USB" at 54.85,7.5 h1.7
  text "+BAT" at 43.25,4.95 h1.7

## Text inside footprints (layer, text, board x,y; h text height)
J2: Bottom Overlay "1" at 7.445,51.62 h1 r180